# Allegro board meta_carrier_lay_rev1.brd
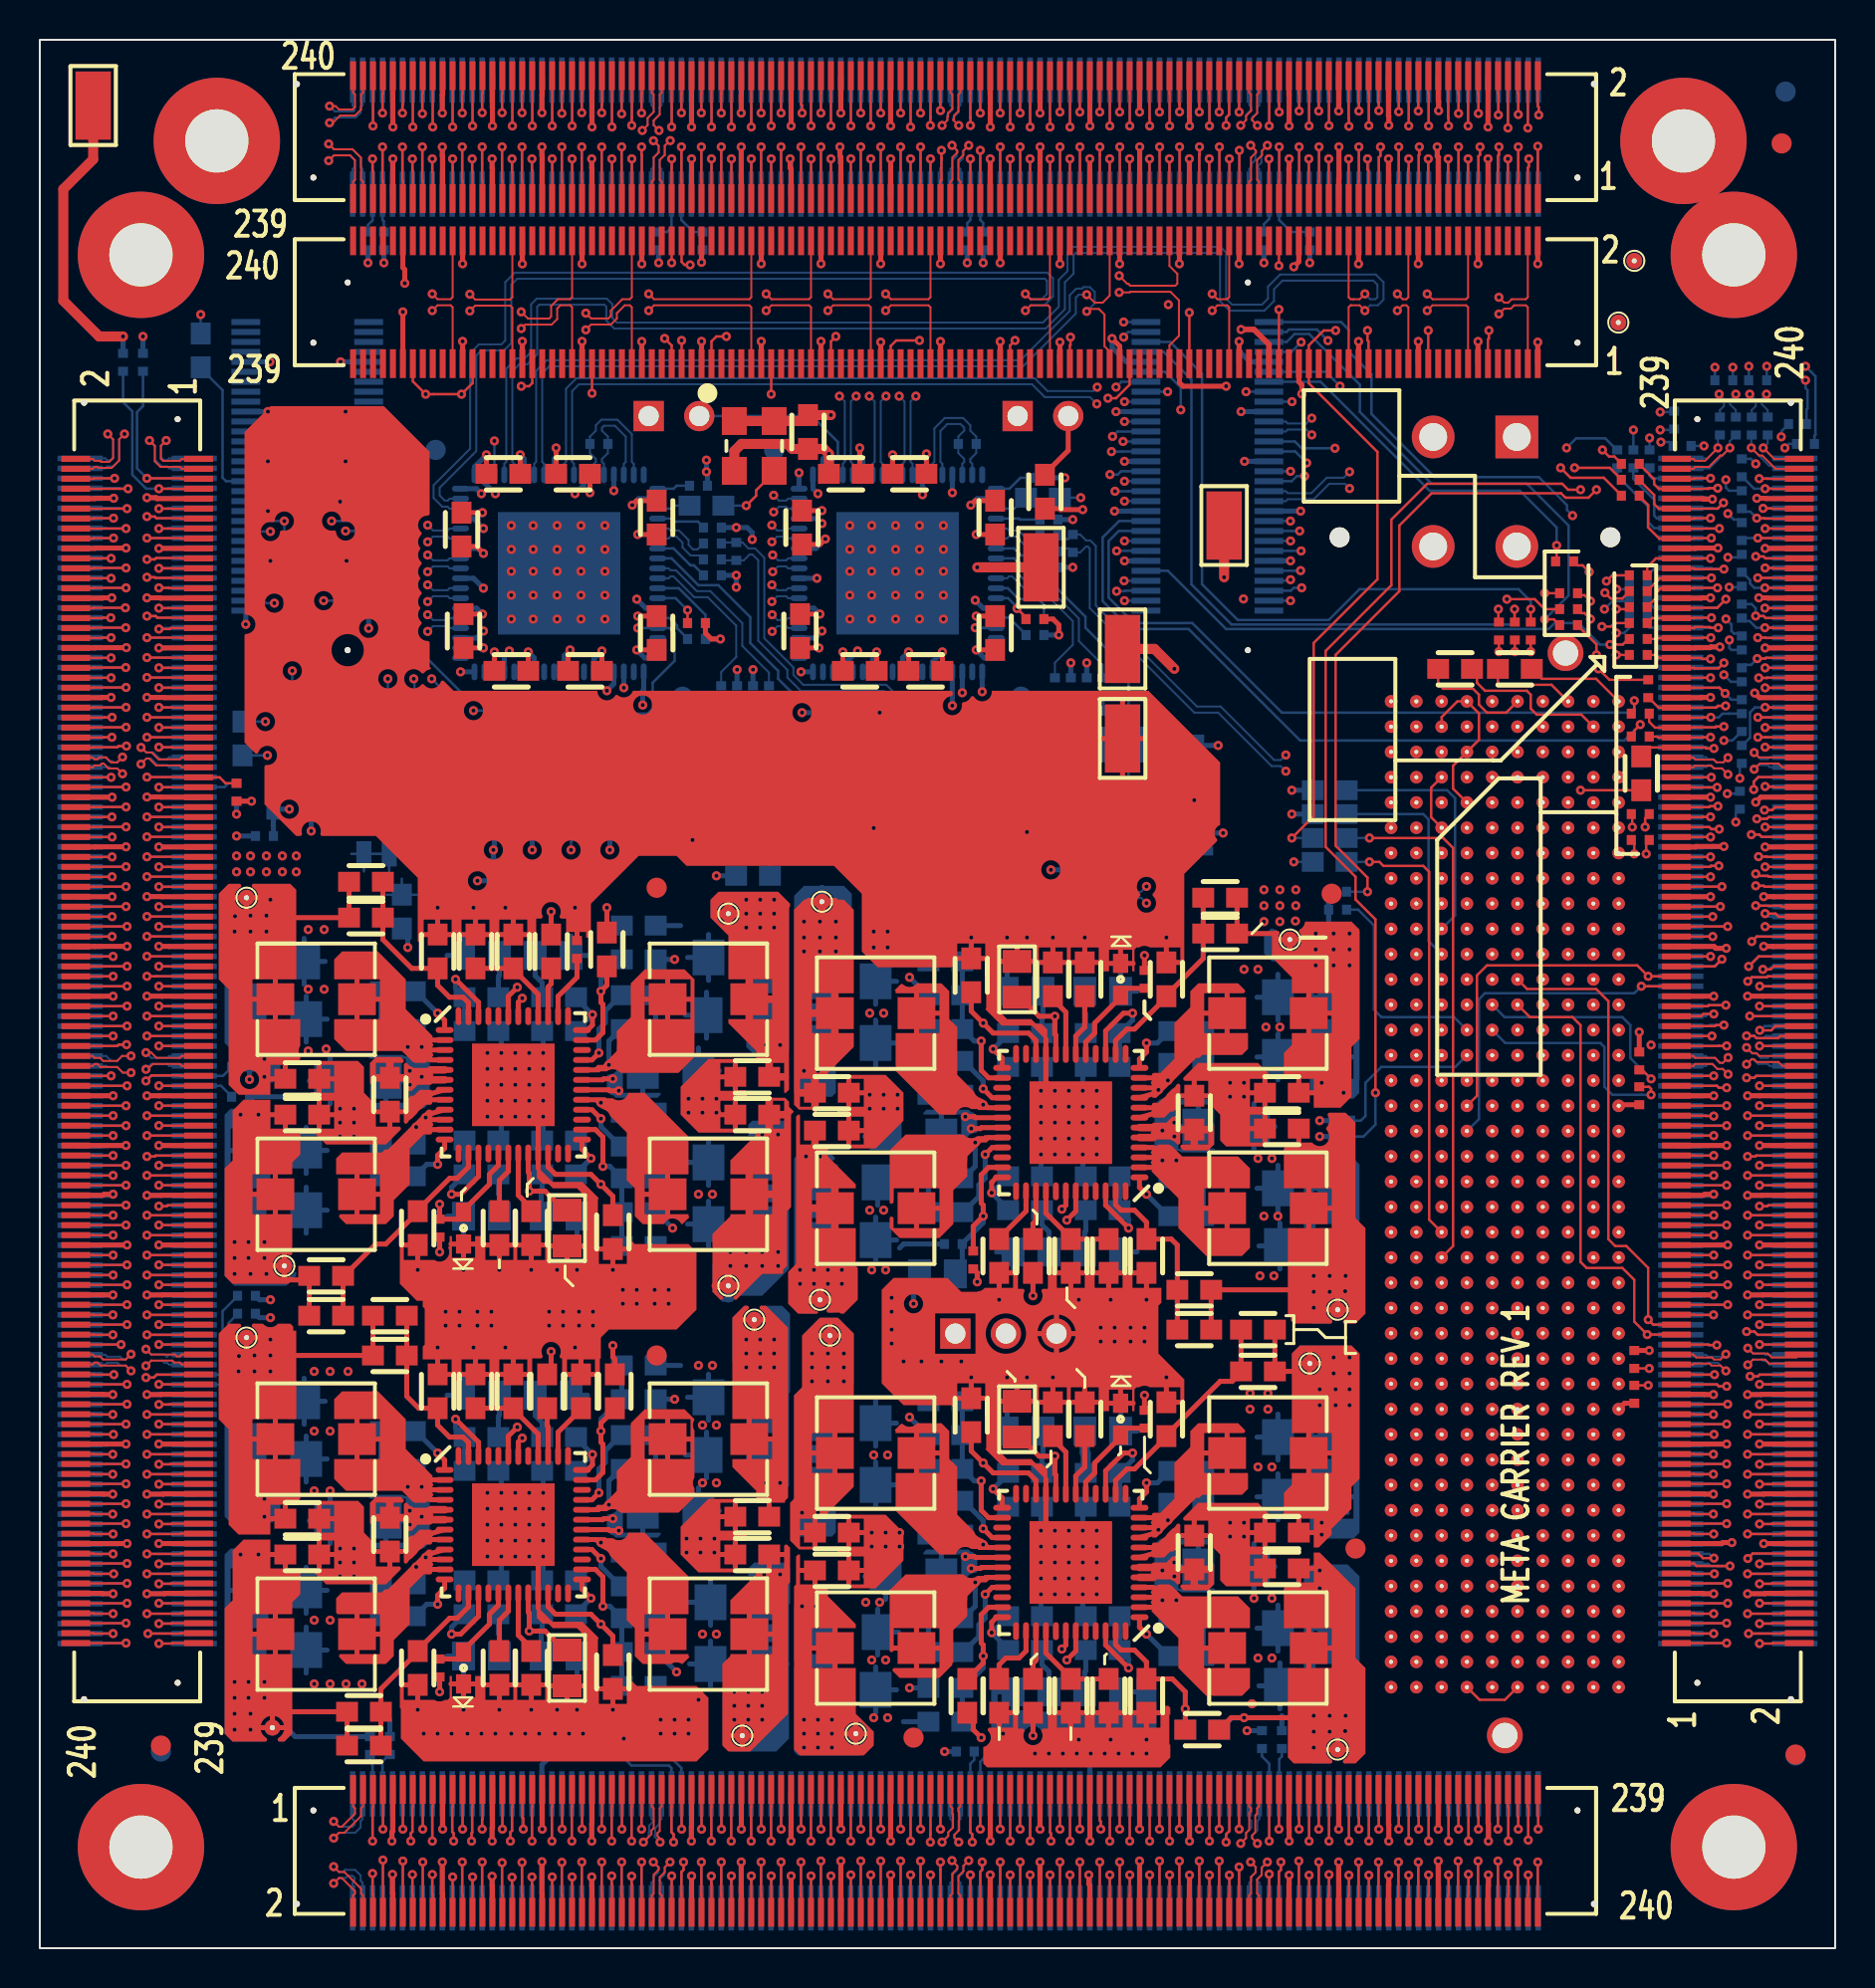
[diagram p0: board, top side]
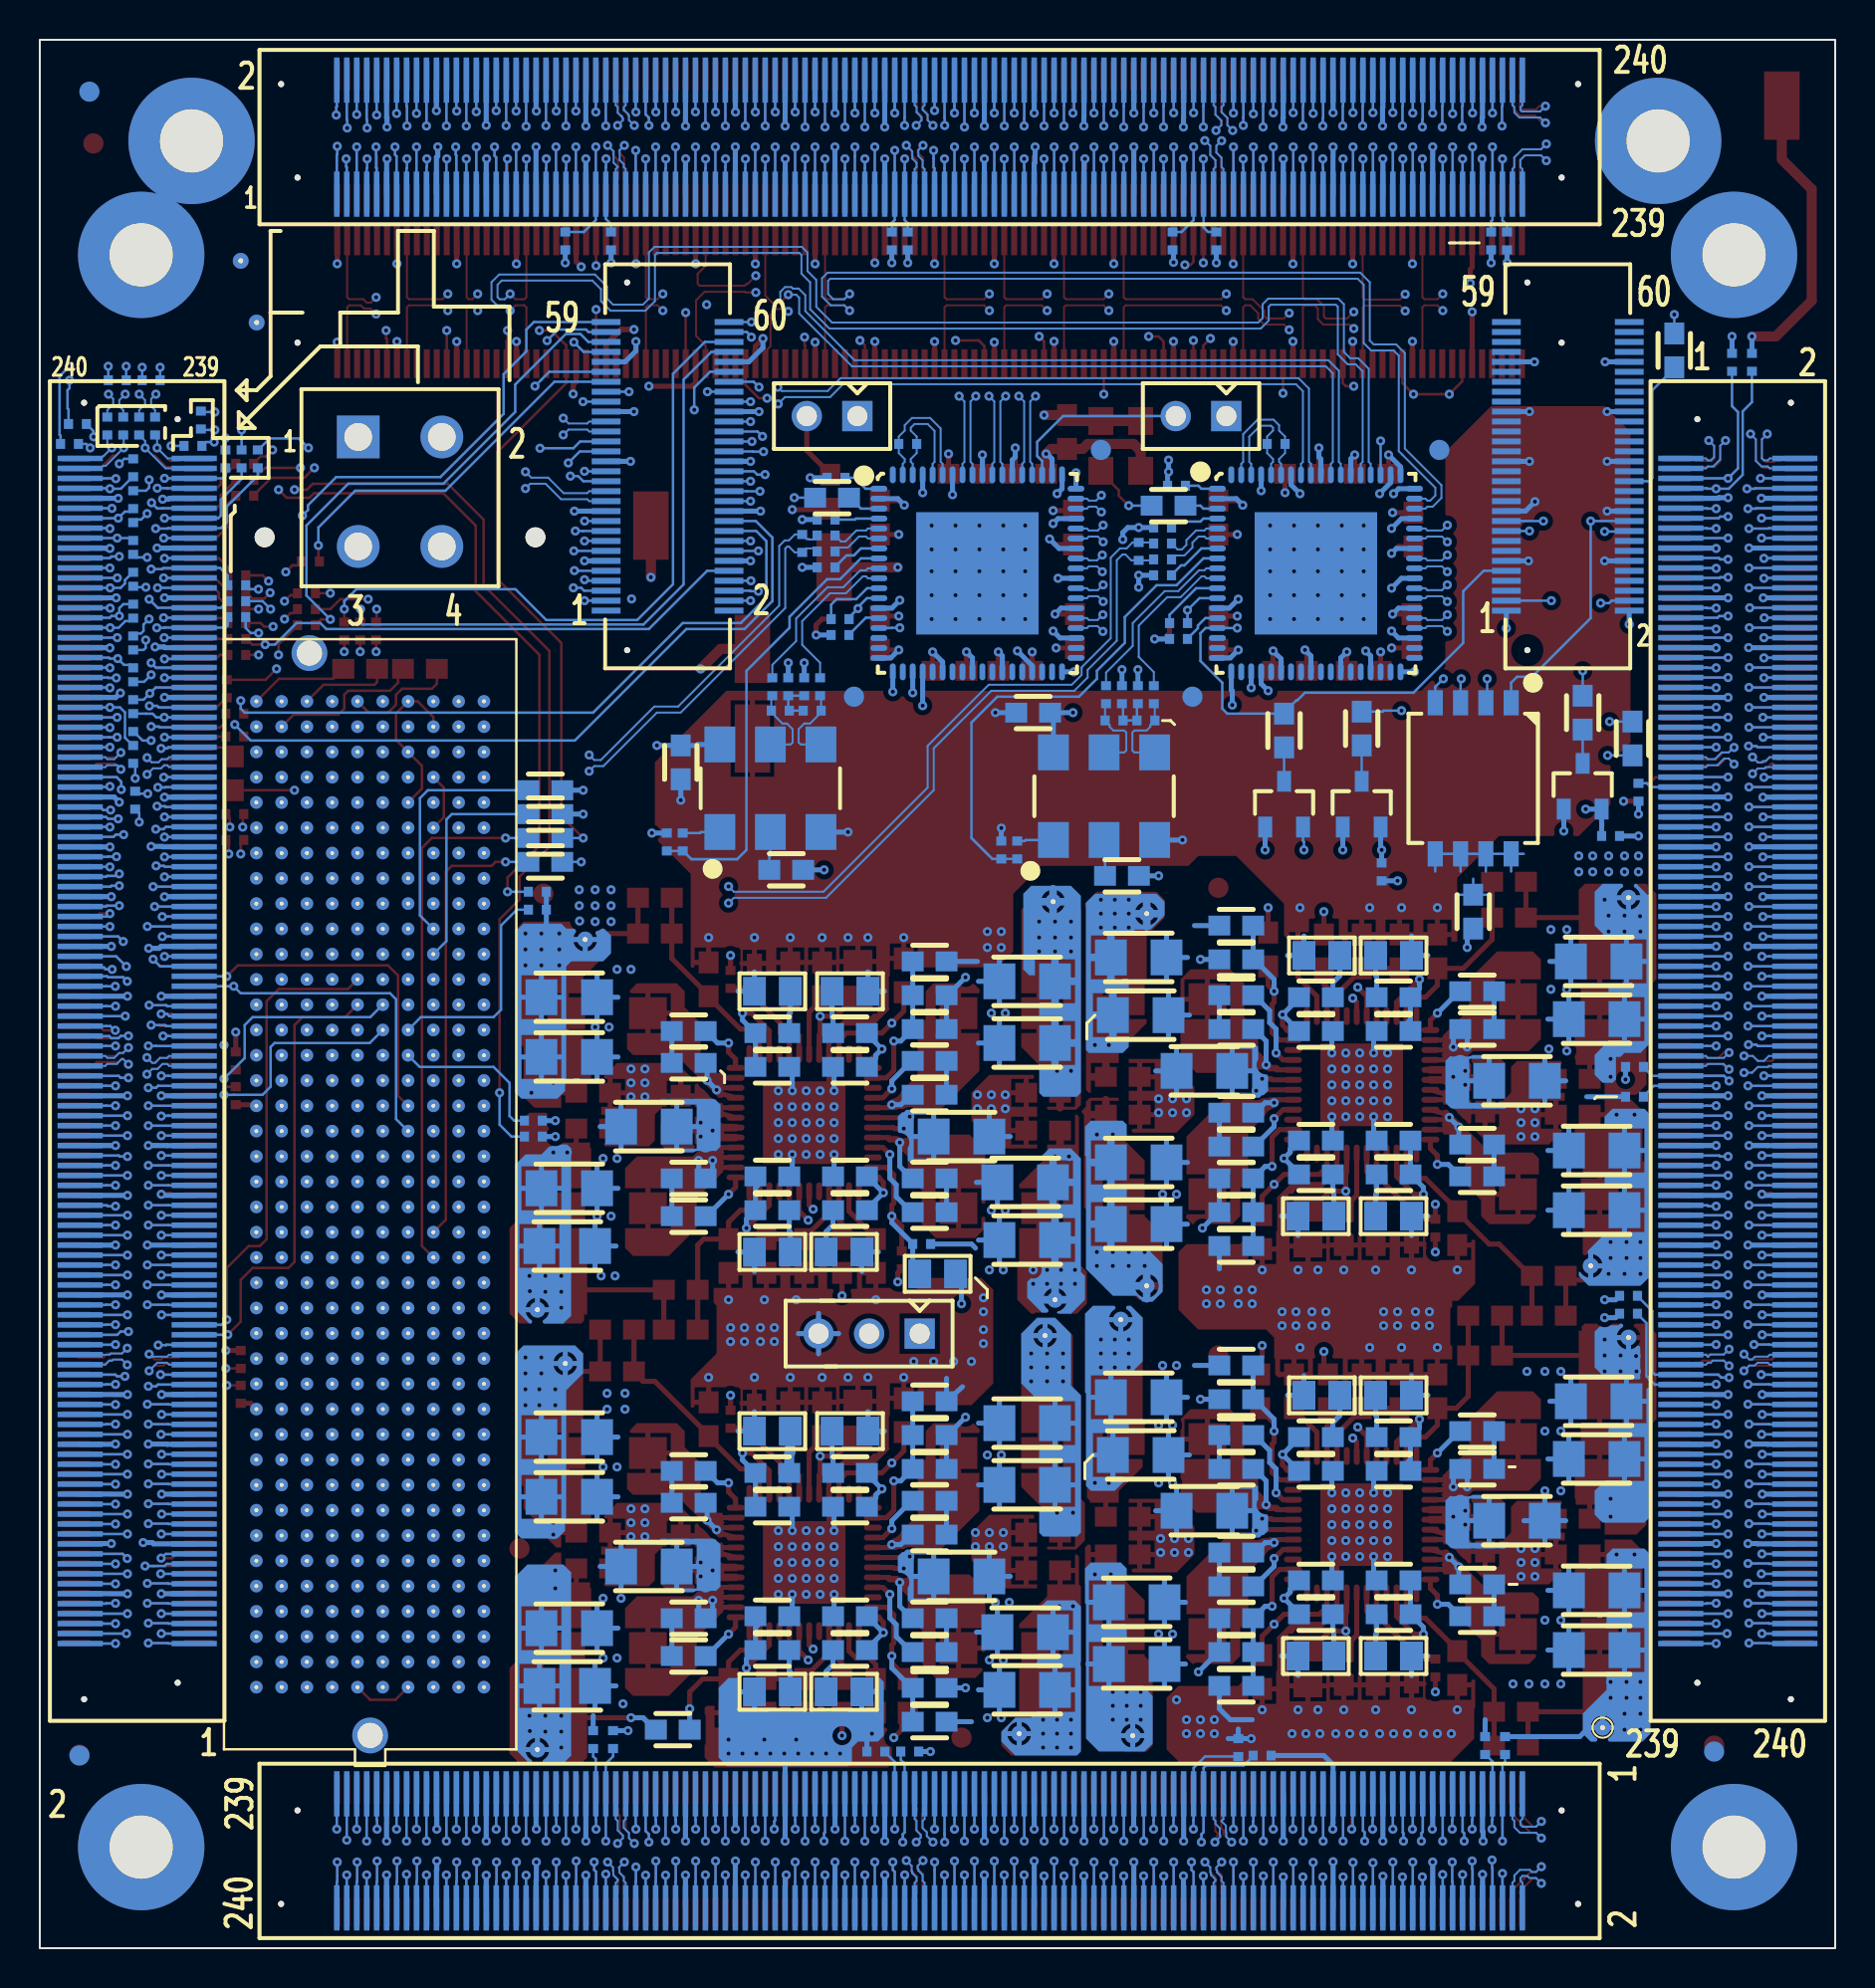
[diagram p1: board, bottom side, seen from below]

Outline 90.17 x 95.89 mm; copper layers: TOP, GND_L2, SIGNAL_L3, GND_L4, SIGNAL_L5, GND_L6, PWR_L7, PWR_L8, GND_L9, SIGNAL_L10, GND_L11, SIGNAL_L12, GND_L13, BOTTOM. Coordinates in mm from the lower left corner of the outline.
Outline path: rectangle 0,0 90.17,95.89

## Design rules (mm)
net group CLK0: nets CLK_N0 CLK_P0
net group CLK1: nets CLK_N1 CLK_P1
net group CLK2: nets CLK_N2 CLK_P2
net group CLK3: nets CLK_N3 CLK_P3
net group CLK4: nets CLK_N4 CLK_P4
net group CLK5: nets CLK_N5 CLK_P5
net group CLK6: nets CLK_N6 CLK_P6
net group CLK7: nets CLK_N7 CLK_P7
net group CLK8: nets CLK_N8 CLK_P8
net group CLK9: nets CLK_N9 CLK_P9
net group CLK10: nets CLK_N10 CLK_P10
net group CLK11: nets CLK_N11 CLK_P11
net group CLK12: nets CLK_N12 CLK_P12
net group CLK13: nets CLK_N13 CLK_P13
net group CLK14: nets CLK_N14 CLK_P14
net group CLK15: nets CLK_N15 CLK_P15
net group CLKIN0: nets CLKIN_N0 CLKIN_P0
net group CLKIN1: nets CLKIN_N1 CLKIN_P1
net group CLKREF_CLOCK: nets CLKREF_N_CLOCK CLKREF_P_CLOCK
net group CLKREF_CLOCK1: nets CLKREF_N_CLOCK1 CLKREF_P_CLOCK1
net group EA LCLK IN0: nets EA_LCLK_IN_N0 EA_LCLK_IN_P0
net group EA LCLK IN1: nets EA_LCLK_IN_N1 EA_LCLK_IN_P1
net group EA LCLK IN2: nets EA_LCLK_IN_N2 EA_LCLK_IN_P2
net group EA LCLK IN3: nets EA_LCLK_IN_N3 EA_LCLK_IN_P3
net group EA LCLK OUT0: nets EA_LCLK_OUT_N0 EA_LCLK_OUT_P0
net group EA LCLK OUT1: nets EA_LCLK_OUT_N1 EA_LCLK_OUT_P1
net group EA LCLK OUT2: nets EA_LCLK_OUT_N2 EA_LCLK_OUT_P2
net group EA LCLK OUT3: nets EA_LCLK_OUT_N3 EA_LCLK_OUT_P3
net group EA_LCLK_IN: nets N907687111 N907687112
net group EA_LCLK_OUT: nets N907687118 N907687119
net group NO LCLK IN0: nets NO_LCLK_IN_N0 NO_LCLK_IN_P0
net group NO LCLK IN1: nets NO_LCLK_IN_N1 NO_LCLK_IN_P1
net group NO LCLK IN2: nets NO_LCLK_IN_N2 NO_LCLK_IN_P2
net group NO LCLK IN3: nets NO_LCLK_IN_N3 NO_LCLK_IN_P3
net group NO LCLK OUT0: nets NO_LCLK_OUT_N0 NO_LCLK_OUT_P0
net group NO LCLK OUT1: nets NO_LCLK_OUT_N1 NO_LCLK_OUT_P1
net group NO LCLK OUT2: nets NO_LCLK_OUT_N2 NO_LCLK_OUT_P2
net group NO LCLK OUT3: nets NO_LCLK_OUT_N3 NO_LCLK_OUT_P3
net group OSC_IN1_CLOCK: nets OSC_IN_1_CLOCK OSC_IN_B1_CLOCK
net group OSC_IN1_CLOCK1: nets OSC_IN_1_CLOCK1 OSC_IN_B1_CLOCK1
net group OSC_IN_CLOCK: nets OSC_IN_B_CLOCK OSC_IN_CLOCK
net group OSC_IN_CLOCK1: nets OSC_IN_B_CLOCK1 OSC_IN_CLOCK1
net group REFB_CLOCK: nets REFB_1_CLOCK REFB_B1_CLOCK
net group REFB_CLOCK1: nets REFB_1_CLOCK1 REFB_B1_CLOCK1
net group SO LCLK IN0: nets SO_LCLK_IN_N0 SO_LCLK_IN_P0
net group SO LCLK IN1: nets SO_LCLK_IN_N1 SO_LCLK_IN_P1
net group SO LCLK IN2: nets SO_LCLK_IN_N2 SO_LCLK_IN_P2
net group SO LCLK IN3: nets SO_LCLK_IN_N3 SO_LCLK_IN_P3
net group SO LCLK OUT0: nets SO_LCLK_OUT_N0 SO_LCLK_OUT_P0
net group SO LCLK OUT1: nets SO_LCLK_OUT_N1 SO_LCLK_OUT_P1
net group SO LCLK OUT2: nets SO_LCLK_OUT_N2 SO_LCLK_OUT_P2
net group SO LCLK OUT3: nets SO_LCLK_OUT_N3 SO_LCLK_OUT_P3
net group WE LCLK IN0: nets WE_LCLK_IN_N0 WE_LCLK_IN_P0
net group WE LCLK IN1: nets WE_LCLK_IN_N1 WE_LCLK_IN_P1
net group WE LCLK IN2: nets WE_LCLK_IN_N2 WE_LCLK_IN_P2
net group WE LCLK IN3: nets WE_LCLK_IN_N3 WE_LCLK_IN_P3
net group WE LCLK OUT0: nets WE_LCLK_OUT_N0 WE_LCLK_OUT_P0
net group WE LCLK OUT1: nets WE_LCLK_OUT_N1 WE_LCLK_OUT_P1
net group WE LCLK OUT2: nets WE_LCLK_OUT_N2 WE_LCLK_OUT_P2
net group WE LCLK OUT3: nets WE_LCLK_OUT_N3 WE_LCLK_OUT_P3

## Placement (name value [footprint] x y rotation side)
C1  0.1 uF  [0603]  38.58 76.18 270 top
C2  10uF  [0603]  23.28 74.08 180 top
C3  10uF  [0603]  26.78 74.08 0 top
C4  0.1 uF  [0603]  40.48 74.08 180 top
C5  10uF  [0603]  43.68 74.08 0 top
C6  0.1 uF  [0603]  30.98 71.88 270 top
C7  0.1 uF  [0603]  47.98 71.88 270 top
C8  0.1 uF  [0603]  38.28 71.38 90 top
C9  0.1 uF  [0603]  21.18 71.28 90 top
C10  0.47 uF  [0402]  49.98 66.78 0 top
C11  0.47 uF  [0402]  32.98 66.58 0 top
C12  10uF  [0603]  21.28 66.18 270 top
C13  0.1 uF  [0603]  38.18 66.18 270 top
C14  10uF  [0603]  30.98 66.08 90 top
C15  10uF  [0603]  47.98 66.08 90 top
C16  0.1 uF  [0603]  23.68 64.18 180 top
C17  0.1 uF  [0603]  27.38 64.18 0 top
C18  10uF  [0603]  41.18 64.18 180 top
C19  10uF  [0603]  44.48 64.18 0 top
C20  160pF  [0603]  16.38 51.78 0 top
C21  120pF  [0603]  59.28 50.98 180 top
C22  160pF  [0603]  28.48 50.18 270 top
C23  4.7pF  [0603]  21.88 50.08 90 top
C24  0.1 uF  [0603]  46.78 48.88 90 top
C25  3.3uF  [CAPC2012X145N]  49.08 48.68 90 top
C26  4.7uF  [0603]  50.88 48.68 90 top
C27  10uF  [0603]  52.48 48.68 90 top
C28  0.1 uF  [0603]  35.78 43.78 180 top
C29  0.1 uF  [0603]  13.18 43.68 0 top
C30  0.1 uF  [0603]  39.78 42.98 0 top
C31  0.1 uF  [0603]  62.38 42.98 180 top
C32  0.1 uF  [0603]  17.58 42.88 270 top
C33  0.1 uF  [0603]  57.98 41.98 90 top
C34  0.1 uF  [0603]  13.18 41.88 0 top
C35  0.1 uF  [0603]  35.78 41.88 180 top
C36  0.1 uF  [0603]  62.38 41.18 180 top
C37  0.1 uF  [0603]  39.78 41.08 0 top
C38  10uF  [0603]  23.08 36.18 270 top
C39  4.7uF  [0603]  24.68 36.18 270 top
C40  3.3uF  [CAPC2012X145N]  26.48 36.18 270 top
C41  0.1 uF  [0603]  28.78 35.98 270 top
C42  4.7pF  [0603]  53.68 34.78 270 top
C43  120pF  [0603]  14.38 33.78 0 top
C44  160pF  [0603]  57.98 33.08 180 top
C45  160pF  [0603]  17.58 29.78 0 top
C46  120pF  [0603]  61.18 28.98 180 top
C47  4.7pF  [0603]  21.88 27.98 90 top
C48  120pF  [0603]  28.88 27.98 270 top
C49  0.1 uF  [0603]  46.78 26.78 90 top
C50  3.3uF  [CAPC2012X145N]  49.08 26.58 90 top
C51  4.7uF  [0603]  50.88 26.58 90 top
C52  10uF  [0603]  52.48 26.58 90 top
C53  0.1 uF  [0603]  35.78 21.68 180 top
C54  0.1 uF  [0603]  13.18 21.58 0 top
C55  0.1 uF  [0603]  39.78 20.88 0 top
C56  0.1 uF  [0603]  62.38 20.88 180 top
C57  0.1 uF  [0603]  17.58 20.78 270 top
C58  0.1 uF  [0603]  57.98 19.88 90 top
C59  0.1 uF  [0603]  13.18 19.78 0 top
C60  0.1 uF  [0603]  35.78 19.78 180 top
C61  0.1 uF  [0603]  62.38 19.08 180 top
C62  0.1 uF  [0603]  39.78 18.98 0 top
C63  10uF  [0603]  23.08 14.08 270 top
C64  4.7uF  [0603]  24.68 14.08 270 top
C65  3.3uF  [CAPC2012X145N]  26.48 14.08 270 top
C66  0.1 uF  [0603]  28.78 13.88 270 top
C67  120pF  [0603]  46.58 12.68 90 top
C68  4.7pF  [0603]  53.68 12.68 270 top
C69  120pF  [0603]  16.28 11.88 0 top
C70  160pF  [0603]  58.38 10.98 180 top
C71  22 uF  [1206]  63.68 35.28 180 bottom
C72  22 uF  [1206]  63.68 13.18 180 bottom
C73  22 uF  [1206]  63.58 47.78 180 bottom
C74  22 uF  [1206]  63.58 44.78 180 bottom
C75  22 uF  [1206]  63.58 38.18 180 bottom
C76  22 uF  [1206]  63.58 25.68 180 bottom
C77  22 uF  [1206]  63.58 22.68 180 bottom
C78  22 uF  [1206]  63.58 16.08 180 bottom
C79  22 uF  [1206]  59.58 41.28 0 bottom
C80  22 uF  [1206]  59.58 19.18 0 bottom
C81  0.33uF  [0402]  58.68 55.58 90 bottom
C82  0.1 uF  [0603]  57.98 59.58 270 bottom
C83  0.1 uF  [0603]  57.58 44.48 0 bottom
C84  0.1 uF  [0603]  57.58 38.68 0 bottom
C85  0.1 uF  [0603]  57.58 22.38 0 bottom
C86  0.1 uF  [0603]  57.58 16.58 0 bottom
C87  0.1 uF  [0402]  53.38 63.38 90 bottom
C88  4700pF  [CAPC2012X145N]  53.38 48.08 0 bottom
C89  22pF  [0603]  53.38 44.28 180 bottom
C90  22pF  [0603]  53.38 38.78 180 bottom
C91  4700pF  [CAPC2012X145N]  53.38 34.98 0 bottom
C92  4700pF  [CAPC2012X145N]  53.38 25.98 0 bottom
C93  22pF  [0603]  53.38 22.18 180 bottom
C94  22pF  [0603]  53.38 16.68 180 bottom
C95  4700pF  [CAPC2012X145N]  53.38 12.88 0 bottom
C96  0.1 uF  [0402]  51.78 63.38 90 bottom
C97  0.1 uF  [0402]  50.98 63.38 90 bottom
C98  0.47 uF  [0402]  50.68 71.78 0 bottom
C99  0.1 uF  [0402]  50.68 70.98 0 bottom
C100  0.1 uF  [0402]  50.68 70.18 0 bottom
C101  0.33uF  [0402]  50.68 69.38 0 bottom
C102  0.47 uF  [0402]  50.18 73.88 0 bottom
C103  1000 pF  [0402]  49.98 66.78 180 bottom
C104  0.47 uF  [0402]  49.98 65.98 0 bottom
C105  4700pF  [CAPC2012X145N]  49.78 34.98 180 bottom
C106  4700pF  [CAPC2012X145N]  49.78 12.88 180 bottom
C107  4700pF  [CAPC2012X145N]  49.48 48.08 180 bottom
C108  22pF  [0603]  49.48 44.28 0 bottom
C109  22pF  [0603]  49.48 38.78 0 bottom
C110  4700pF  [CAPC2012X145N]  49.48 25.98 180 bottom
C111  22pF  [0603]  49.48 22.18 0 bottom
C112  22pF  [0603]  49.48 16.68 0 bottom
C113  68pF  [0603]  45.48 46.18 0 bottom
C114  0.1 uF  [0603]  45.48 42.88 180 bottom
C115  0.1 uF  [0603]  45.48 38.68 180 bottom
C116  120pF  [0603]  45.48 24.08 0 bottom
C117  0.1 uF  [0603]  45.48 20.78 180 bottom
C118  0.1 uF  [0603]  45.48 16.58 180 bottom
C119  120pF  [CAPC2012X145N]  45.08 33.88 0 bottom
C120  22 uF  [1206]  43.88 40.78 180 bottom
C121  22 uF  [1206]  43.88 18.68 180 bottom
C122  0.33uF  [0402]  41.88 55.18 90 bottom
C123  22 uF  [1206]  40.68 38.48 0 bottom
C124  22 uF  [1206]  40.68 15.88 0 bottom
C125  22 uF  [1206]  40.58 48.58 0 bottom
C126  22 uF  [1206]  40.58 45.48 0 bottom
C127  22 uF  [1206]  40.58 35.58 0 bottom
C128  22 uF  [1206]  40.58 26.38 0 bottom
C129  22 uF  [1206]  40.58 23.28 0 bottom
C130  22 uF  [1206]  40.58 12.98 0 bottom
C131  0.1 uF  [0603]  40.28 62.08 0 bottom
C132  0.1 uF  [0402]  36.62 62.98 90 bottom
C133  22 uF  [1206]  35.08 17.38 180 bottom
C134  22 uF  [1206]  35.08 14.28 180 bottom
C135  0.1 uF  [0402]  35.02 62.98 90 bottom
C136  22 uF  [1206]  34.98 49.78 180 bottom
C137  22 uF  [1206]  34.98 39.48 180 bottom
C138  22 uF  [1206]  34.98 36.38 180 bottom
C139  22 uF  [1206]  34.98 27.68 180 bottom
C140  22 uF  [1206]  34.88 46.88 180 bottom
C141  22 uF  [1206]  34.88 24.78 180 bottom
C142  0.1 uF  [0402]  34.22 62.98 90 bottom
C143  0.47 uF  [0402]  33.78 71.38 0 bottom
C144  0.1 uF  [0402]  33.78 70.58 0 bottom
C145  0.1 uF  [0402]  33.78 69.78 0 bottom
C146  0.33uF  [0402]  33.78 68.98 0 bottom
C147  0.47 uF  [0402]  33.08 73.48 0 bottom
C148  1000 pF  [0402]  32.98 66.58 180 bottom
C149  0.47 uF  [0402]  32.98 65.78 0 bottom
C150  22 uF  [1206]  31.68 44.08 0 bottom
C151  22 uF  [1206]  31.68 21.98 0 bottom
C152  0.1 uF  [0603]  30.08 46.18 0 bottom
C153  0.1 uF  [0603]  30.08 41.98 0 bottom
C154  120pF  [0603]  30.08 38.68 180 bottom
C155  0.1 uF  [0603]  30.08 24.08 0 bottom
C156  0.1 uF  [0603]  30.08 19.88 0 bottom
C157  120pF  [0603]  30.08 16.58 180 bottom
C158  22pF  [0603]  26.08 46.08 180 bottom
C159  22pF  [0603]  26.08 40.58 180 bottom
C160  4700pF  [CAPC2012X145N]  26.08 36.78 0 bottom
C161  22pF  [0603]  26.08 23.98 180 bottom
C162  22pF  [0603]  26.08 18.48 180 bottom
C163  4700pF  [CAPC2012X145N]  26.08 14.68 0 bottom
C164  4700pF  [CAPC2012X145N]  25.78 49.88 0 bottom
C165  4700pF  [CAPC2012X145N]  25.78 27.78 0 bottom
C166  4700pF  [CAPC2012X145N]  22.18 49.88 180 bottom
C167  22pF  [0603]  22.18 46.08 0 bottom
C168  22pF  [0603]  22.18 40.58 0 bottom
C169  4700pF  [CAPC2012X145N]  22.18 36.78 180 bottom
C170  4700pF  [CAPC2012X145N]  22.18 27.78 180 bottom
C171  22pF  [0603]  22.18 23.98 0 bottom
C172  22pF  [0603]  22.18 18.48 0 bottom
C173  4700pF  [CAPC2012X145N]  22.18 14.68 180 bottom
C174  0.1 uF  [0603]  17.98 46.18 180 bottom
C175  0.1 uF  [0603]  17.98 40.38 180 bottom
C176  0.1 uF  [0603]  17.98 24.08 180 bottom
C177  0.1 uF  [0603]  17.98 18.28 180 bottom
C178  22 uF  [1206]  15.98 43.58 180 bottom
C179  22 uF  [1206]  15.98 21.48 180 bottom
C180  22 uF  [1206]  11.98 46.68 0 bottom
C181  22 uF  [1206]  11.98 40.08 0 bottom
C182  22 uF  [1206]  11.98 37.08 0 bottom
C183  22 uF  [1206]  11.98 24.58 0 bottom
C184  22 uF  [1206]  11.98 17.98 0 bottom
C185  22 uF  [1206]  11.98 14.98 0 bottom
C186  22 uF  [1206]  11.88 49.58 0 bottom
C187  22 uF  [1206]  11.88 27.48 0 bottom
CR1  GREEN  [LED_0603]  54.28 48.68 0 top
CR2  GREEN  [LED_0603]  21.28 36.18 180 top
CR3  GREEN  [LED_0603]  54.28 26.58 0 top
CR4  GREEN  [LED_0603]  21.28 14.08 180 top
J1  BTH120  [SAMTEC_BTH-120-XX-X-D-A]  45.48 91 180 top
J2  BTH120  [SAMTEC_BTH-120-XX-X-D-A]  45.48 82.7 180 top
J3  BTH120  [SAMTEC_BTH-120-XX-X-D-A]  4.89 45.08 270 top
J4  BTH120  [SAMTEC_BTH-120-XX-X-D-A]  85.28 45.08 90 top
J5  BTH120  [SAMTEC_BTH-120-XX-X-D-A]  45.48 4.89 0 top
J6  BSH120  [SAMTEC_BSH-120-XX-X-D-A]  85.28 45.08 90 bottom
J7  HDR_1X3_TH_VER  [MOLEX_0039299042]  72.08 73.38 0 bottom
J8  BTH30  [SAMTEC_BTH-030-01-X-D-A]  58.64 74.45 90 bottom
J9  -  [HDR_1X2_TH_VER]  49.11 76.98 0 bottom
J10  HDR_1X3  [HDR_1X3_TH_VER]  45.98 30.88 0 bottom
J11  BSH120  [SAMTEC_BSH-120-XX-X-D-A]  45.48 91 180 bottom
J12  BSH120  [SAMTEC_BSH-120-XX-X-D-A]  45.48 4.89 0 bottom
J13  -  [HDR_1X2_TH_VER]  30.58 76.98 0 bottom
J14  BTH30  [SAMTEC_BTH-030-01-X-D-A]  13.43 74.45 90 bottom
J15  BSH120  [SAMTEC_BSH-120-XX-X-D-A]  4.89 45.08 270 bottom
L1  2.2uH  [WURTH_5040]  13.88 47.68 180 top
L2  2.2uH  [WURTH_5040]  33.58 47.68 0 top
L3  2.2uH  [WURTH_5040]  41.98 46.98 180 top
L4  2.2uH  [WURTH_5040]  61.68 46.98 0 top
L5  2.2uH  [WURTH_5040]  13.88 37.88 180 top
L6  2.2uH  [WURTH_5040]  33.58 37.88 0 top
L7  2.2uH  [WURTH_5040]  41.98 37.18 180 top
L8  2.2uH  [WURTH_5040]  61.68 37.18 0 top
L9  2.2uH  [WURTH_5040]  13.88 25.58 180 top
L10  2.2uH  [WURTH_5040]  33.58 25.58 0 top
L11  2.2uH  [WURTH_5040]  41.98 24.88 180 top
L12  2.2uH  [WURTH_5040]  61.68 24.88 0 top
L13  2.2uH  [WURTH_5040]  13.88 15.78 180 top
L14  2.2uH  [WURTH_5040]  33.58 15.78 0 top
L15  2.2uH  [WURTH_5040]  41.98 15.08 180 top
L16  2.2uH  [WURTH_5040]  61.68 15.08 0 top